# Altium PCB RT_SUPER_C.PCBdoc (part 1 of 2)
Units mil, origin at the board's own origin, x right, y up, seen from the top; angles counter-clockwise.
Board outline 1450 x 1450 mil, 4 copper layers (Top Layer, GND, PWR, Bottom Layer), stack 39.556 mil thick; 167 components, 118 nets, 494 pads, 207 vias.
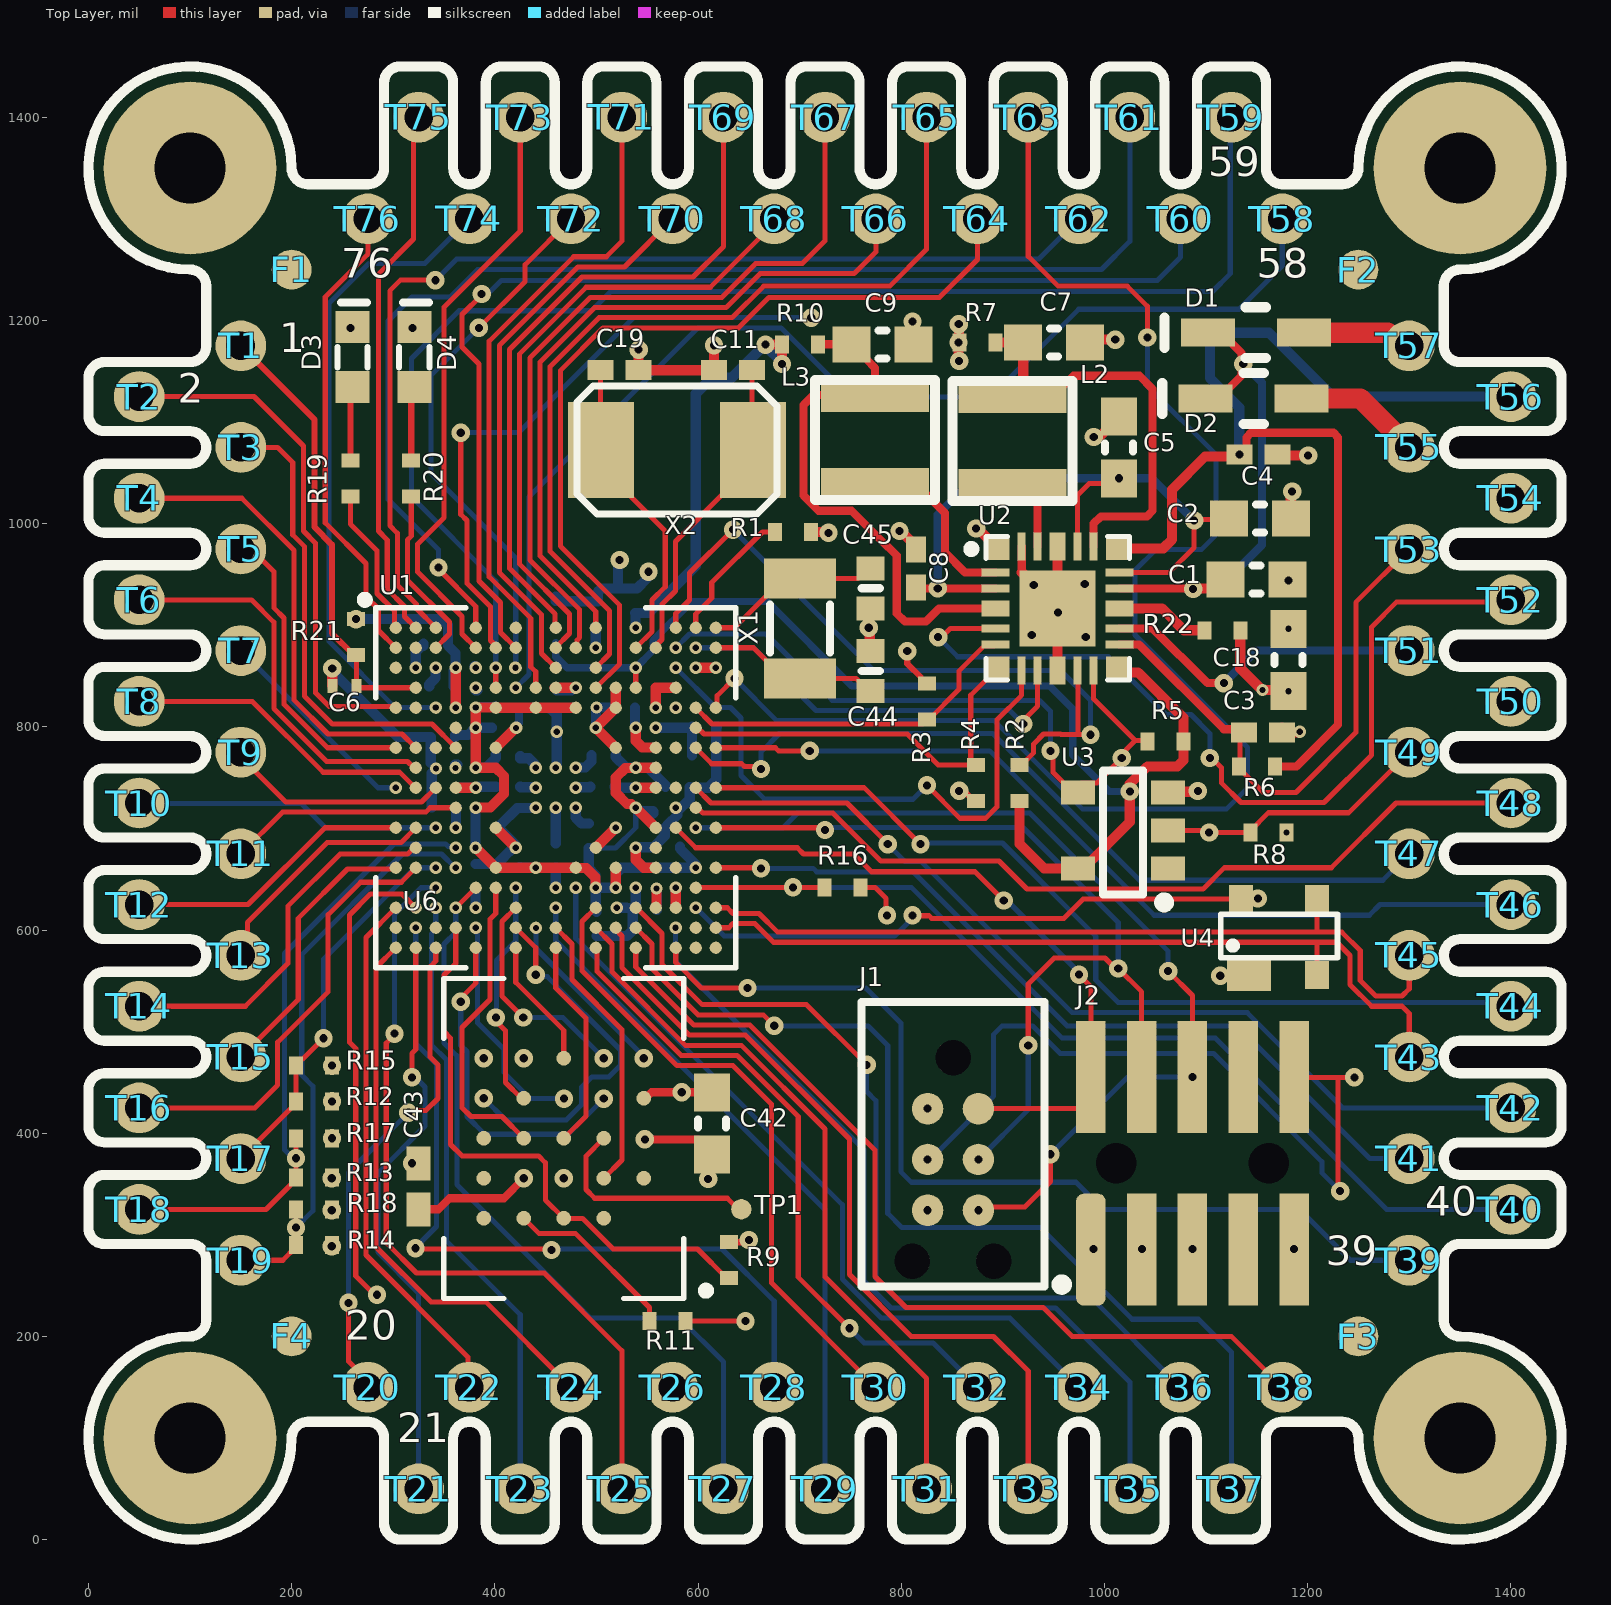
[diagram p0: Top Layer view]
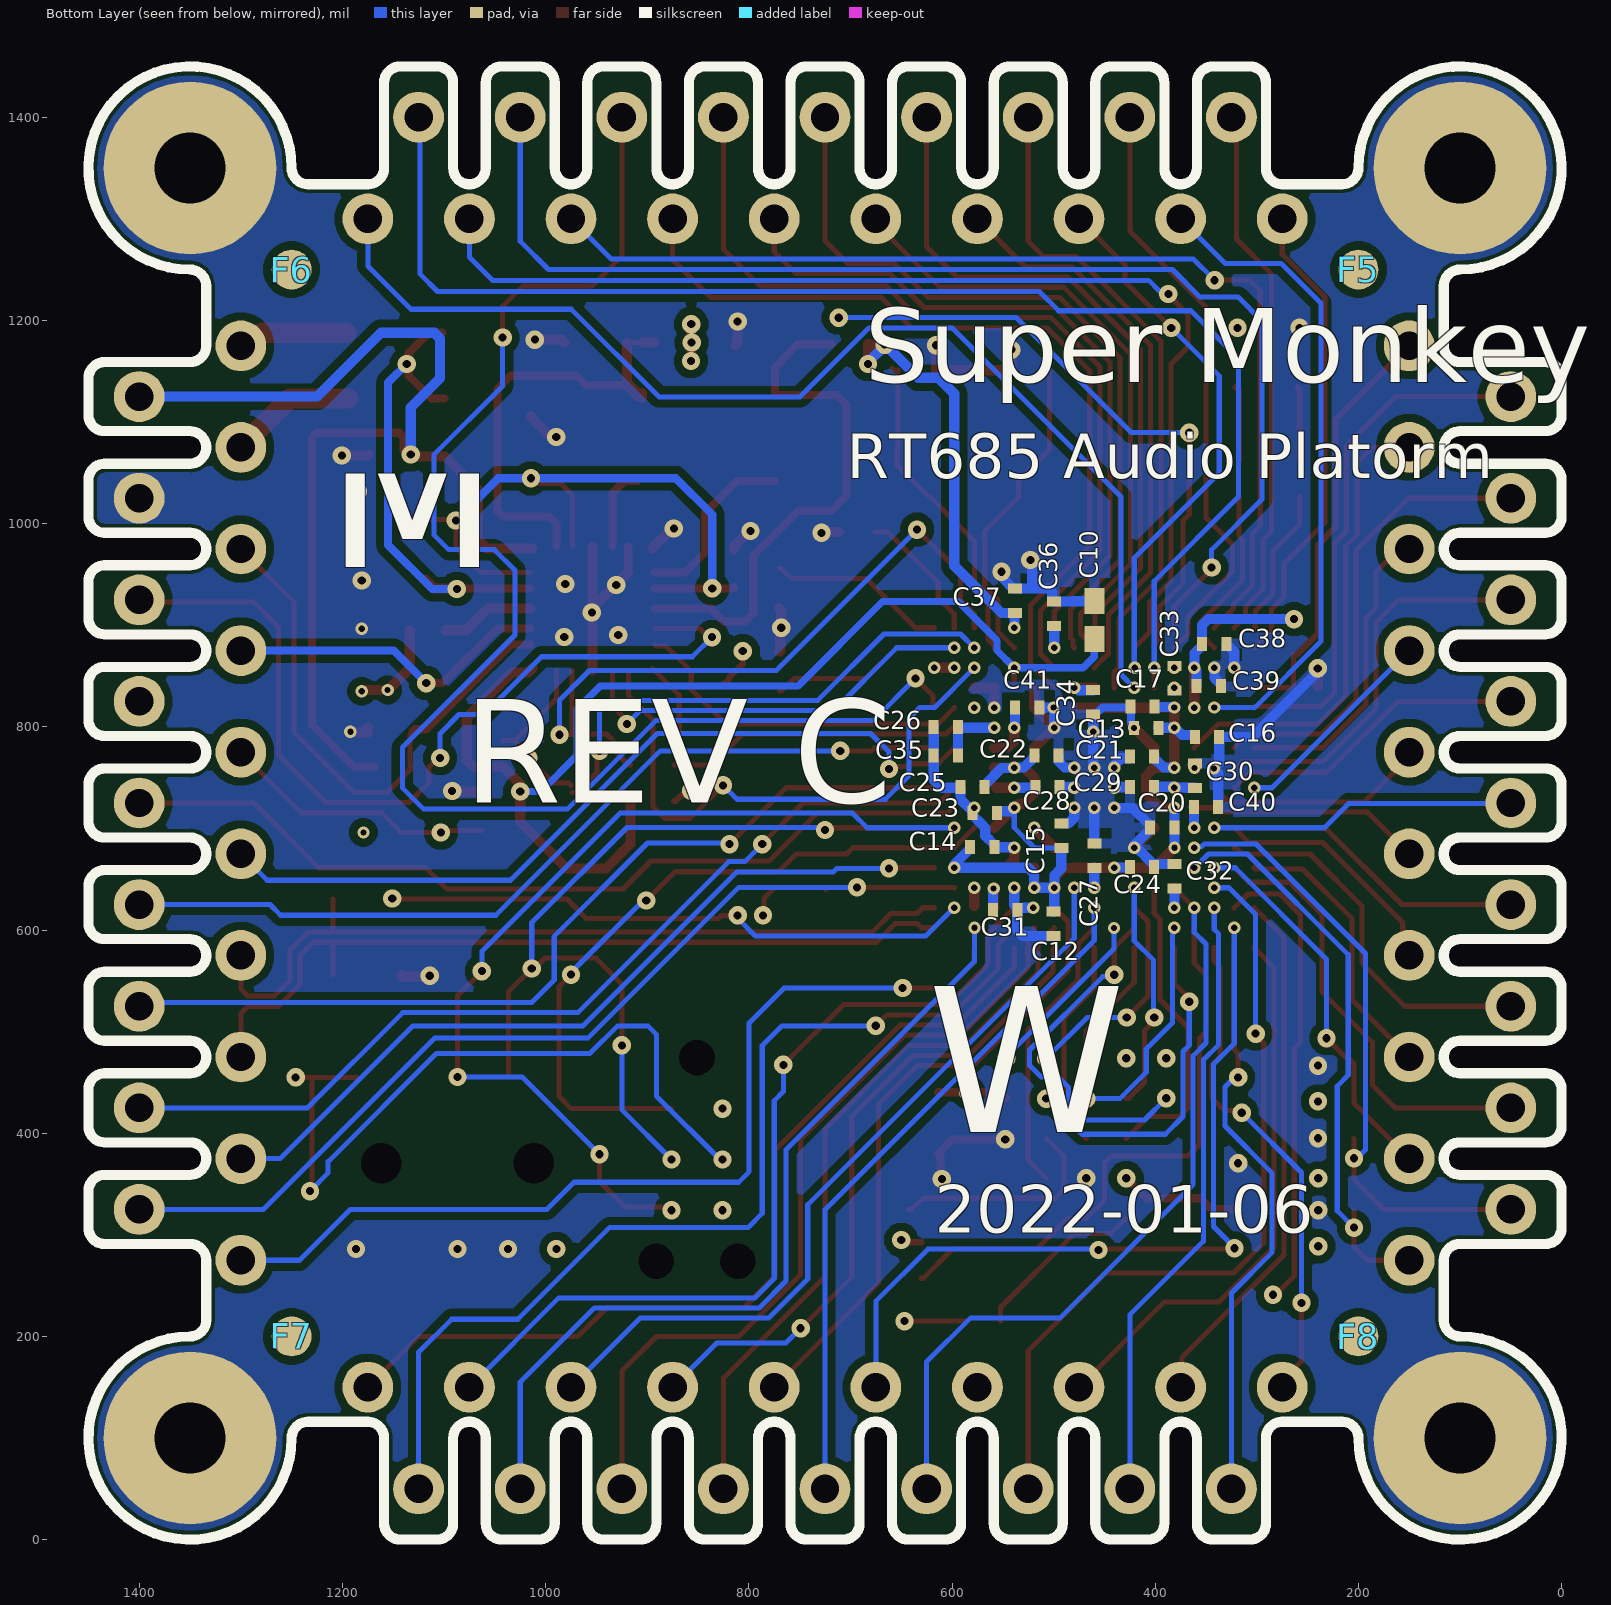
[diagram p1: Bottom Layer view, seen from below]
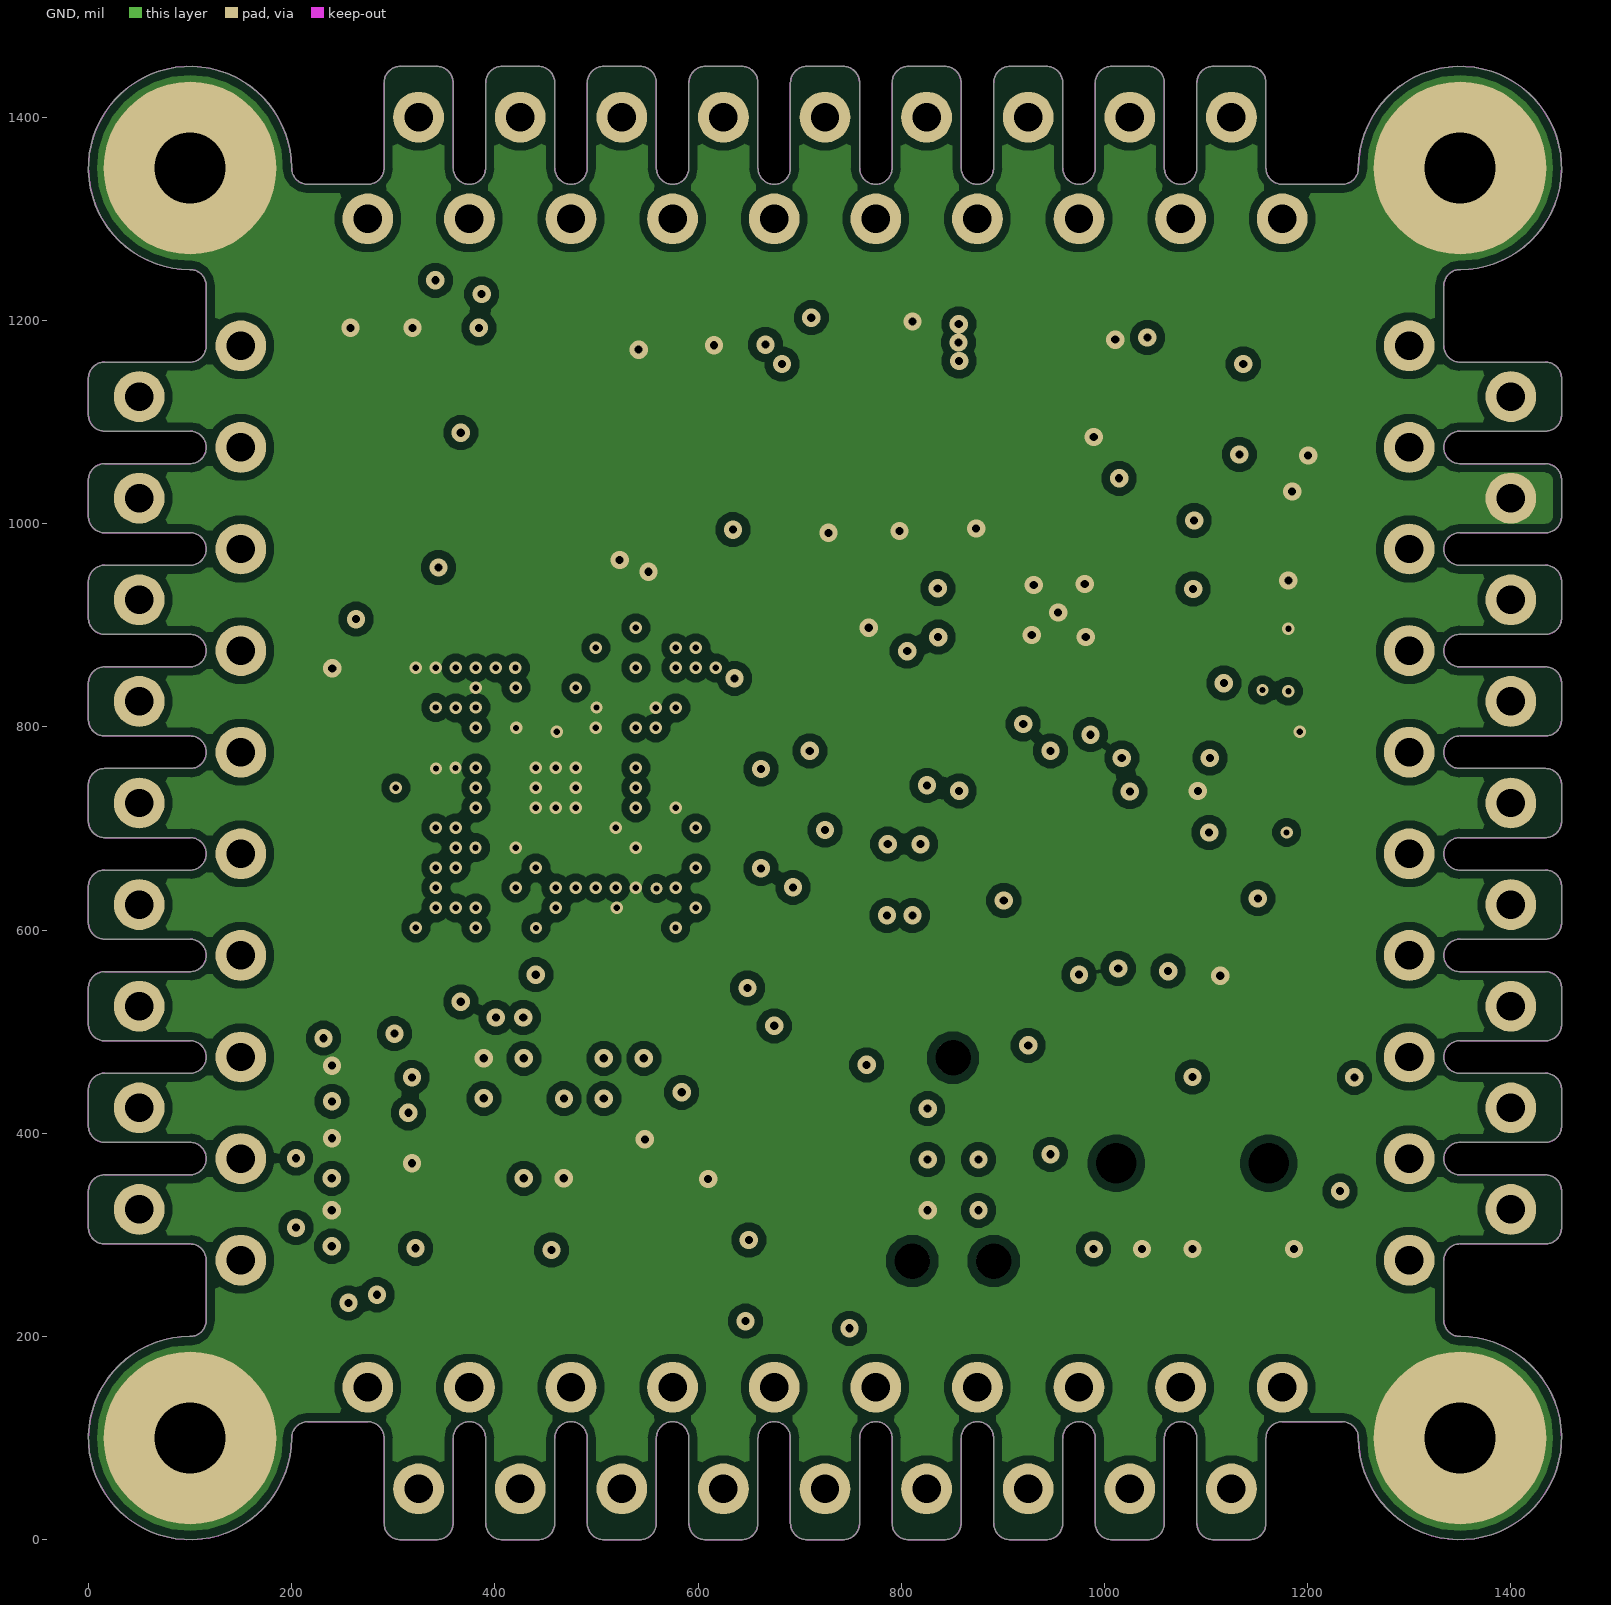
[diagram p2: GND]
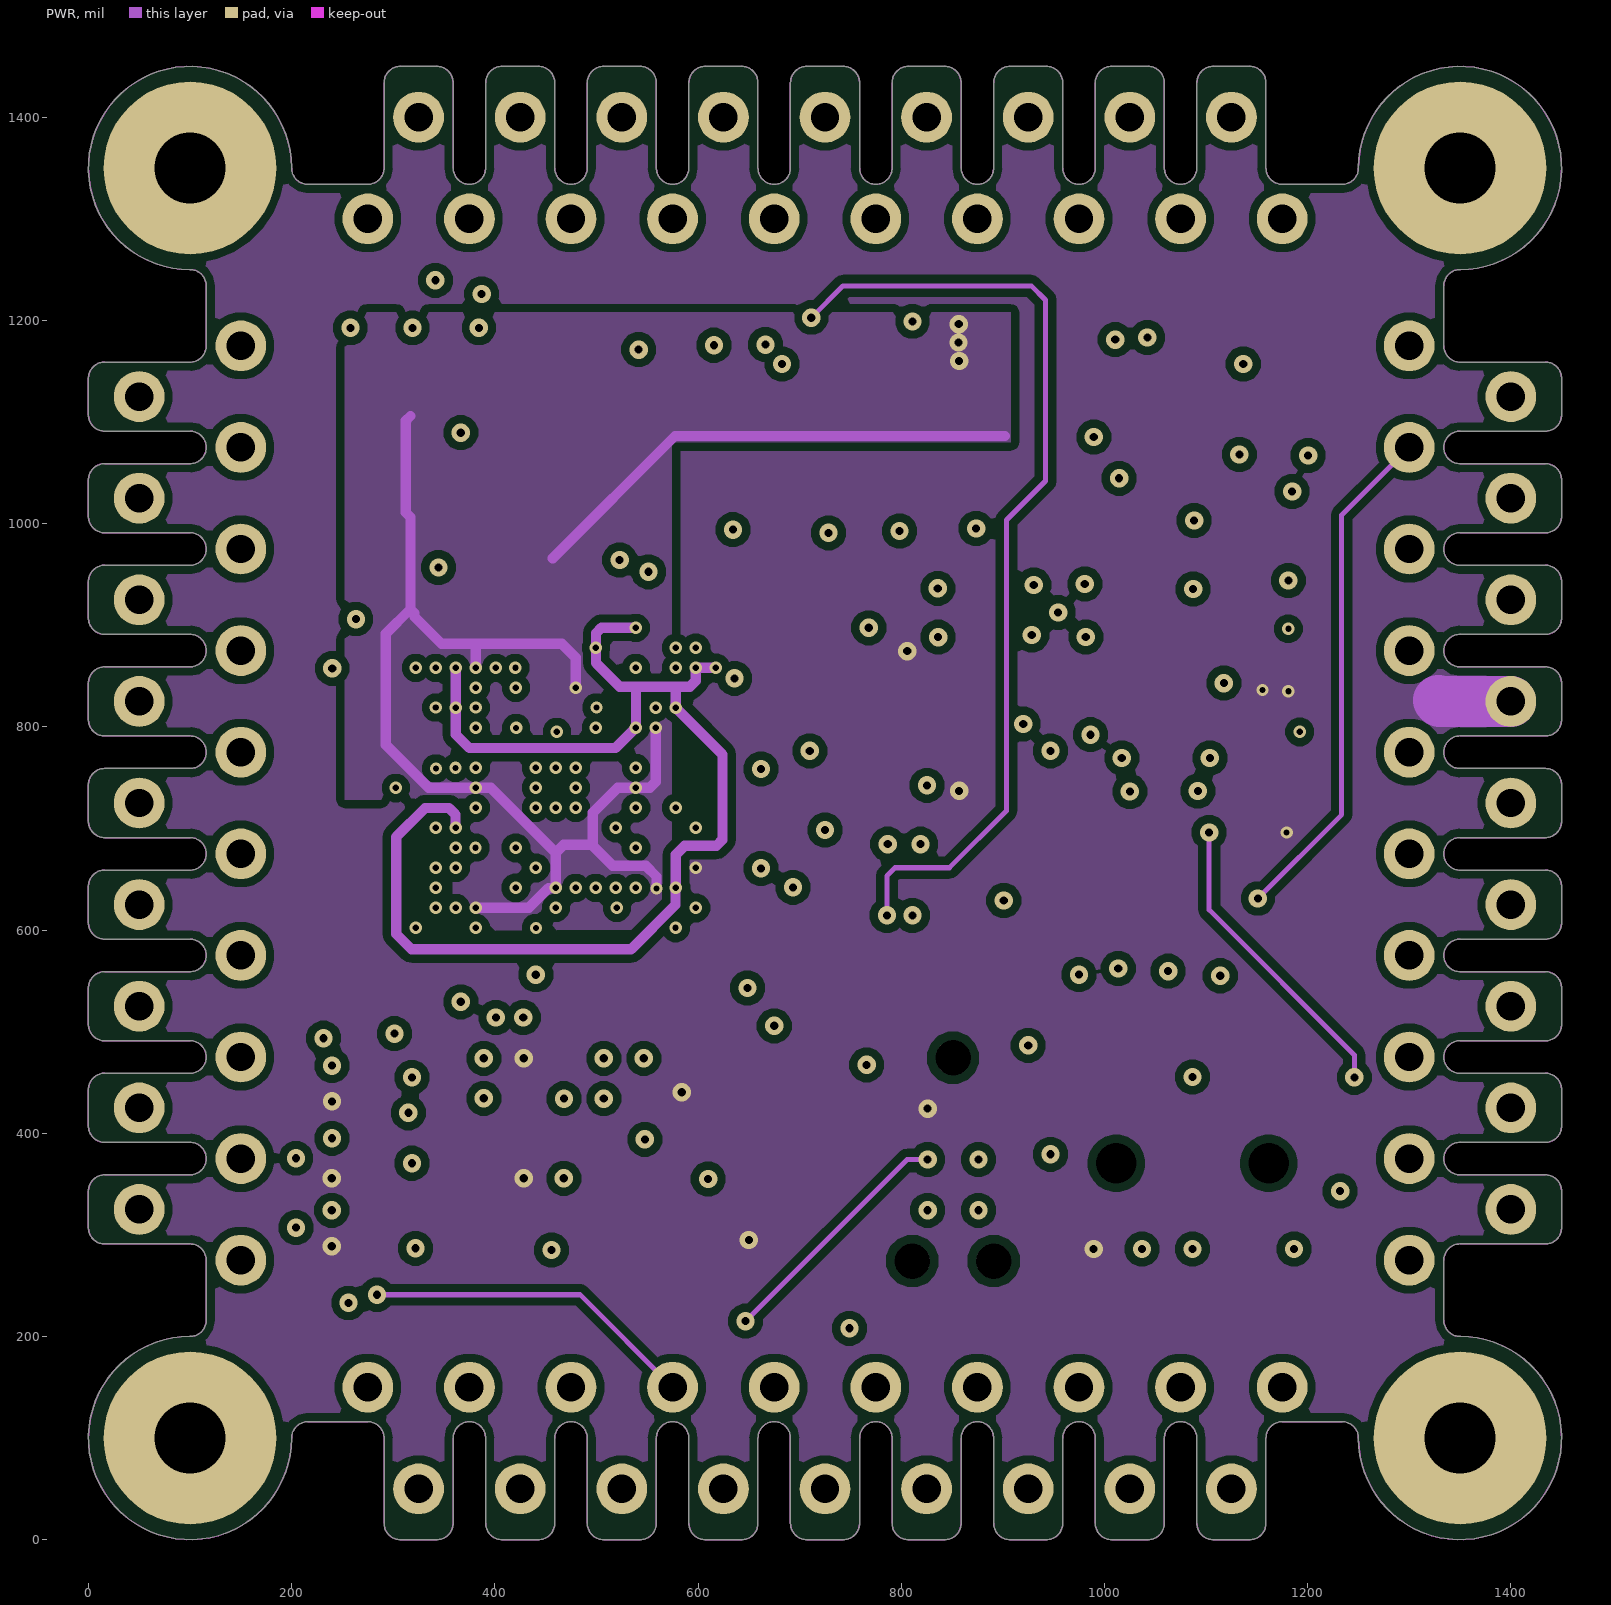
[diagram p3: PWR]
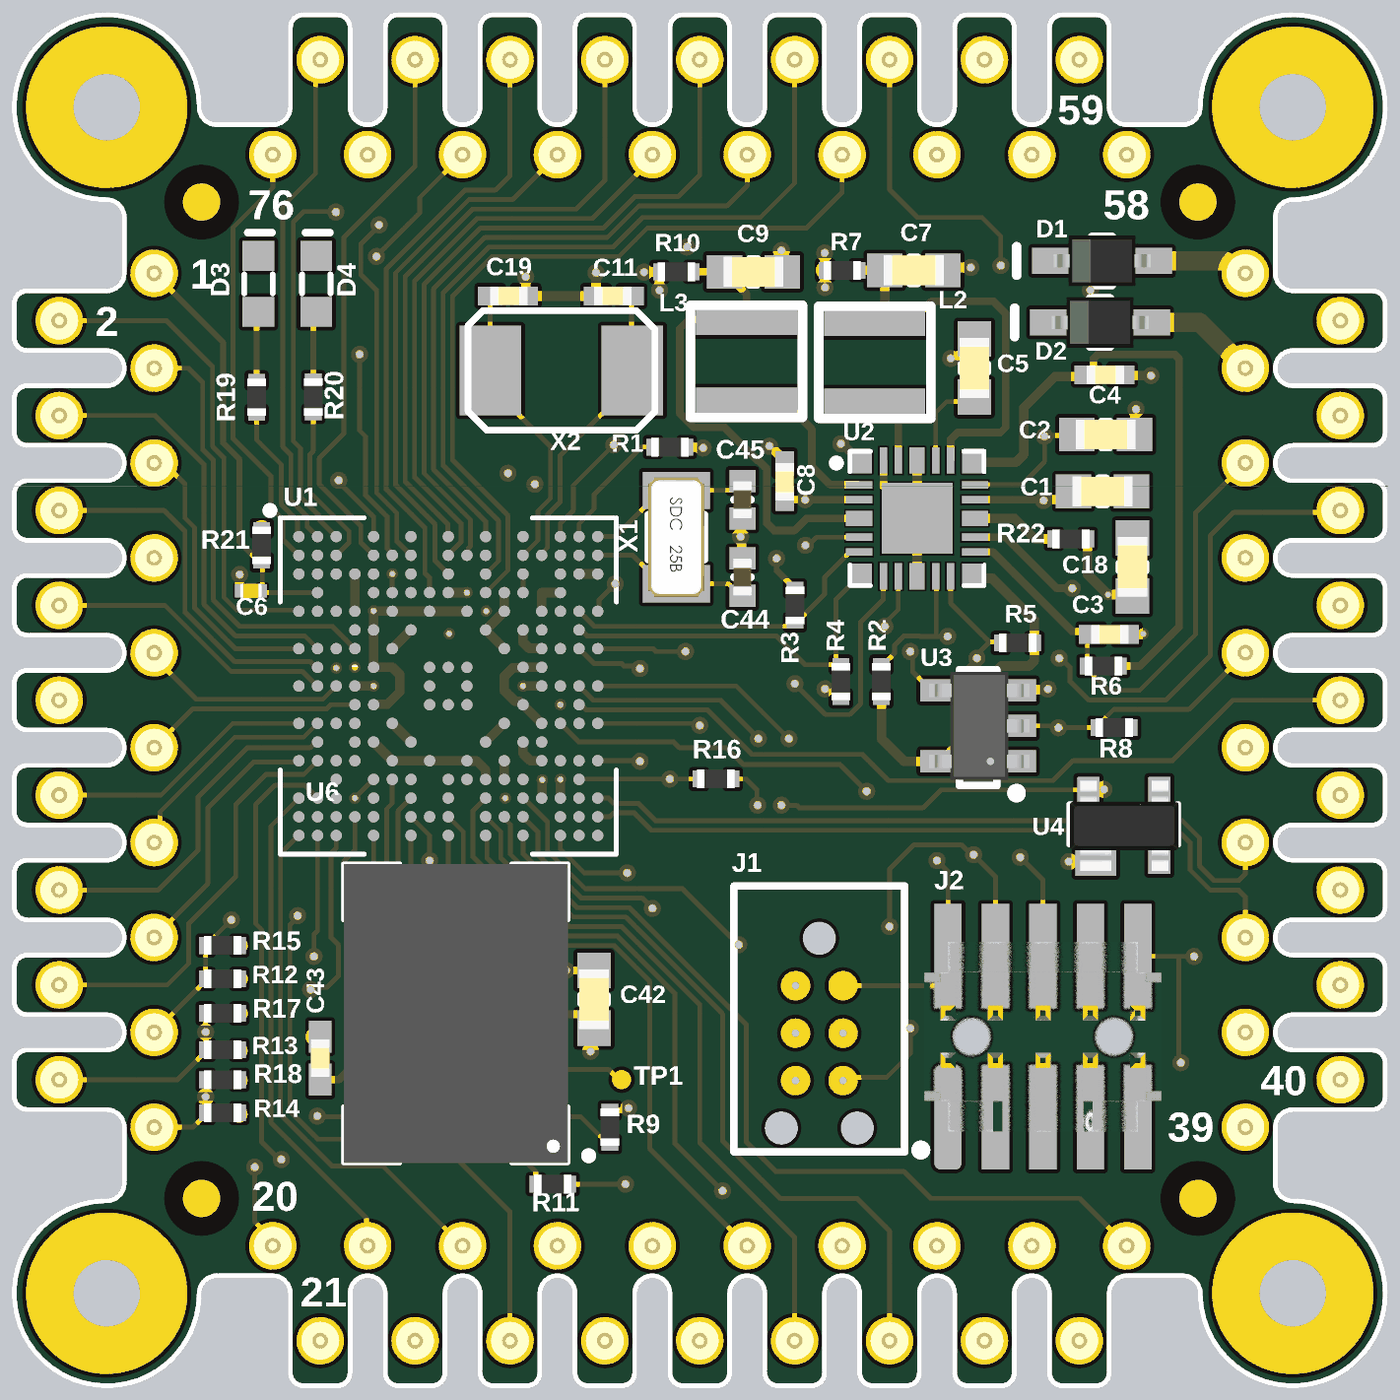
[diagram p5: 3D render of the assembled board from above, using the file's embedded part models]
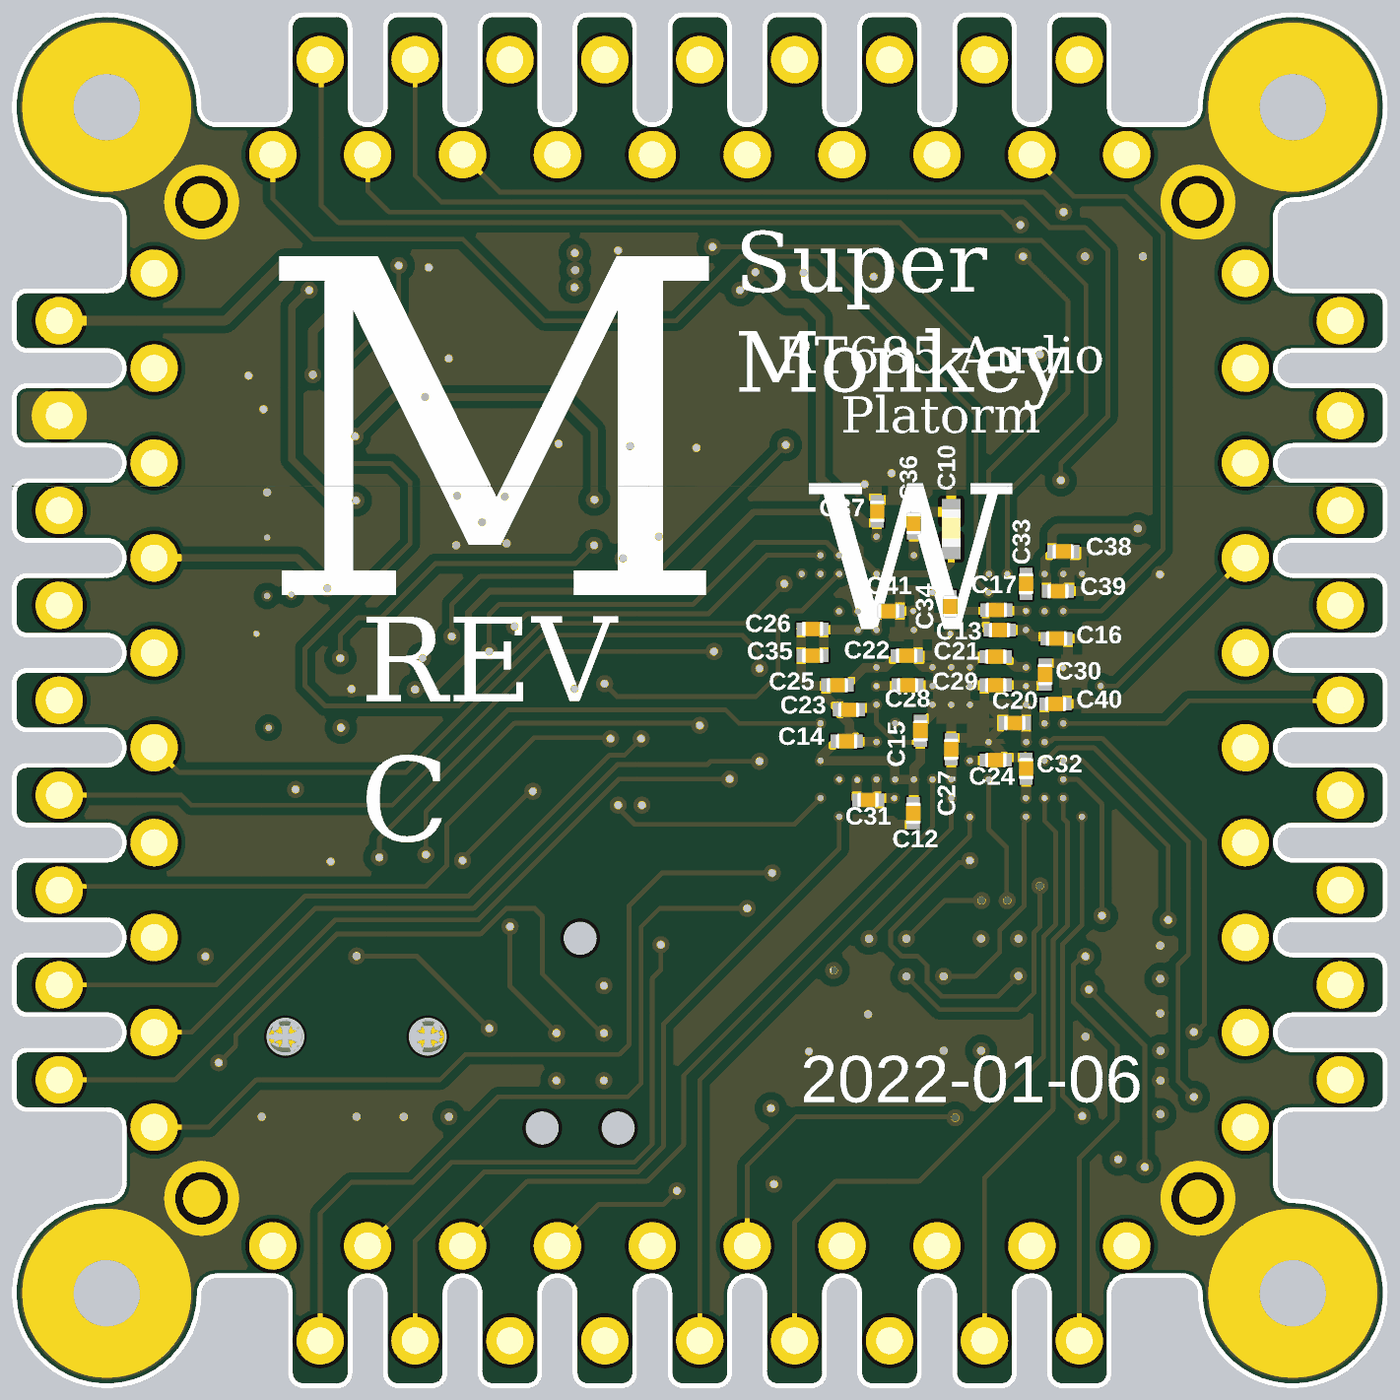
[diagram p6: 3D render of the assembled board from below, using the file's embedded part models]

## Layer stack, top to bottom
Top Solder: solder mask 0.4, Solder Resist, Dk 3.5
Top Layer: signal copper 1.4
Dielectric 1: prepreg 2.8, PP-006, Dk 4.1
GND: signal copper 1.378
Dielectric1: dielectric 28.4, FR-4, Dk 4.8
PWR: signal copper 1.378
Dielectric 2: prepreg 2.8, PP-006, Dk 4.1
Bottom Layer: signal copper 1.4
Bottom Solder: solder mask 0.4, Solder Resist, Dk 3.5

## Board outline
0,307 0,343 cw(c16,343) 16,359 100,359 ccw(c100,375) 100,391 16,391 cw(c16,407) 0,407 0,443 cw(c16,443) 16,459 100,459 ccw(c100,475) 100,491 16,491 cw(c16,507) 0,507 0,543 cw(c16,543) 16,559 100,559 ccw(c100,575) 100,591 16,591 cw(c16,607) 0,607 0,643 cw(c16,643) 16,659 100,659 ccw(c100,675) 100,691 16,691 cw(c16,707) 0,707 0,743 cw(c16,743) 16,759 100,759 ccw(c100,775) 100,791 16,791 cw(c16,807) 0,807 0,843 cw(c16,843) 16,859 100,859 ccw(c100,875) 100,891 16,891 cw(c16,907) 0,907 0,943 cw(c16,943) 16,959 100,959 ccw(c100,975) 100,991 16,991 cw(c16,1007) 0,1007 0,1043 cw(c16,1043) 16,1059 100,1059 ccw(c100,1075) 100,1091 16,1091 cw(c16,1107) 0,1107 0,1143 cw(c16,1143) 16,1159 100,1159 ccw(c100,1175) 116,1175 116,1234 ccw(c100,1234) 100,1250 cw(c100,1350) 200,1350 ccw(c216,1350) 216,1334 275,1334 ccw(c275,1350) 291,1350 291,1434 cw(c307,1434) 307,1450 343,1450 cw(c343,1434) 359,1434 359,1350 ccw(c375,1350) 391,1350 391,1434 cw(c407,1434) 407,1450 443,1450 cw(c443,1434) 459,1434 459,1350 ccw(c475,1350) 491,1350 491,1434 cw(c507,1434) 507,1450 543,1450 cw(c543,1434) 559,1434 559,1350 ccw(c575,1350) 591,1350 591,1434 cw(c607,1434) 607,1450 643,1450 cw(c643,1434) 659,1434 659,1350 ccw(c675,1350) 691,1350 691,1434 cw(c707,1434) 707,1450 743,1450 cw(c743,1434) 759,1434 759,1350 ccw(c775,1350) 791,1350 791,1434 cw(c807,1434) 807,1450 843,1450 cw(c843,1434) 859,1434 859,1350 ccw(c875,1350) 891,1350 891,1434 cw(c907,1434) 907,1450 943,1450 cw(c943,1434) 959,1434 959,1350 ccw(c975,1350) 991,1350 991,1434 cw(c1007,1434) 1007,1450 1043,1450 cw(c1043,1434) 1059,1434 1059,1350 ccw(c1075,1350) 1091,1350 1091,1434 cw(c1107,1434) 1107,1450 1143,1450 cw(c1143,1434) 1159,1434 1159,1350 ccw(c1175,1350) 1175,1334 1234,1334 ccw(c1234,1350) 1250,1350 cw(c1350,1350) 1350,1250 ccw(c1350,1234) 1334,1234 1334,1175 ccw(c1350,1175) 1350,1159 1434,1159 cw(c1434,1143) 1450,1143 1450,1107 cw(c1434,1107) 1434,1091 1350,1091 ccw(c1350,1075) 1350,1059 1434,1059 cw(c1434,1043) 1450,1043 1450,1007 cw(c1434,1007) 1434,991 1350,991 ccw(c1350,975) 1350,959 1434,959 cw(c1434,943) 1450,943 1450,907 cw(c1434,907) 1434,891 1350,891 ccw(c1350,875) 1350,859 1434,859 cw(c1434,843) 1450,843 1450,807 cw(c1434,807) 1434,791 1350,791 ccw(c1350,775) 1350,759 1434,759 cw(c1434,743) 1450,743 1450,707 cw(c1434,707) 1434,691 1350,691 ccw(c1350,675) 1350,659 1434,659 cw(c1434,643) 1450,643 1450,607 cw(c1434,607) 1434,591 1350,591 ccw(c1350,575) 1350,559 1434,559 cw(c1434,543) 1450,543 1450,507 cw(c1434,507) 1434,491 1350,491 ccw(c1350,475) 1350,459 1434,459 cw(c1434,443) 1450,443 1450,407 cw(c1434,407) 1434,391 1350,391 ccw(c1350,375) 1350,359 1434,359 cw(c1434,343) 1450,343 1450,307 cw(c1434,307) 1434,291 1350,291 ccw(c1350,275) 1334,275 1334,216 ccw(c1350,216) 1350,200 cw(c1350,100) 1250,100 ccw(c1234,100) 1234,116 1175,116 ccw(c1175,100) 1159,100 1159,16 cw(c1143,16) 1143,0 1107,0 cw(c1107,16) 1091,16 1091,100 ccw(c1075,100) 1059,100 1059,16 cw(c1043,16) 1043,0 1007,0 cw(c1007,16) 991,16 991,100 ccw(c975,100) 959,100 959,16 cw(c943,16) 943,0 907,0 cw(c907,16) 891,16 891,100 ccw(c875,100) 859,100 859,16 cw(c843,16) 843,0 807,0 cw(c807,16) 791,16 791,100 ccw(c775,100) 759,100 759,16 cw(c743,16) 743,0 707,0 cw(c707,16) 691,16 691,100 ccw(c675,100) 659,100 659,16 cw(c643,16) 643,0 607,0 cw(c607,16) 591,16 591,100 ccw(c575,100) 559,100 559,16 cw(c543,16) 543,0 507,0 cw(c507,16) 491,16 491,100 ccw(c475,100) 459,100 459,16 cw(c443,16) 443,0 407,0 cw(c407,16) 391,16 391,100 ccw(c375,100) 359,100 359,16 cw(c343,16) 343,0 307,0 cw(c307,16) 291,16 291,100 ccw(c275,100) 275,116 216,116 ccw(c216,100) 200,100 cw(c100,100) 100,200 ccw(c100,216) 116,216 116,275 ccw(c100,275) 100,291 16,291 cw(c16,307)
